# Altium PCB slave.PcbDoc
Units mil, origin at the board's own origin, x right, y up, seen from the top; angles counter-clockwise.
Board outline 3928.63 x 3262.09 mil, 2 copper layers (Top Layer, Bottom Layer); 7 components, 17 nets, 94 pads, 0 vias.
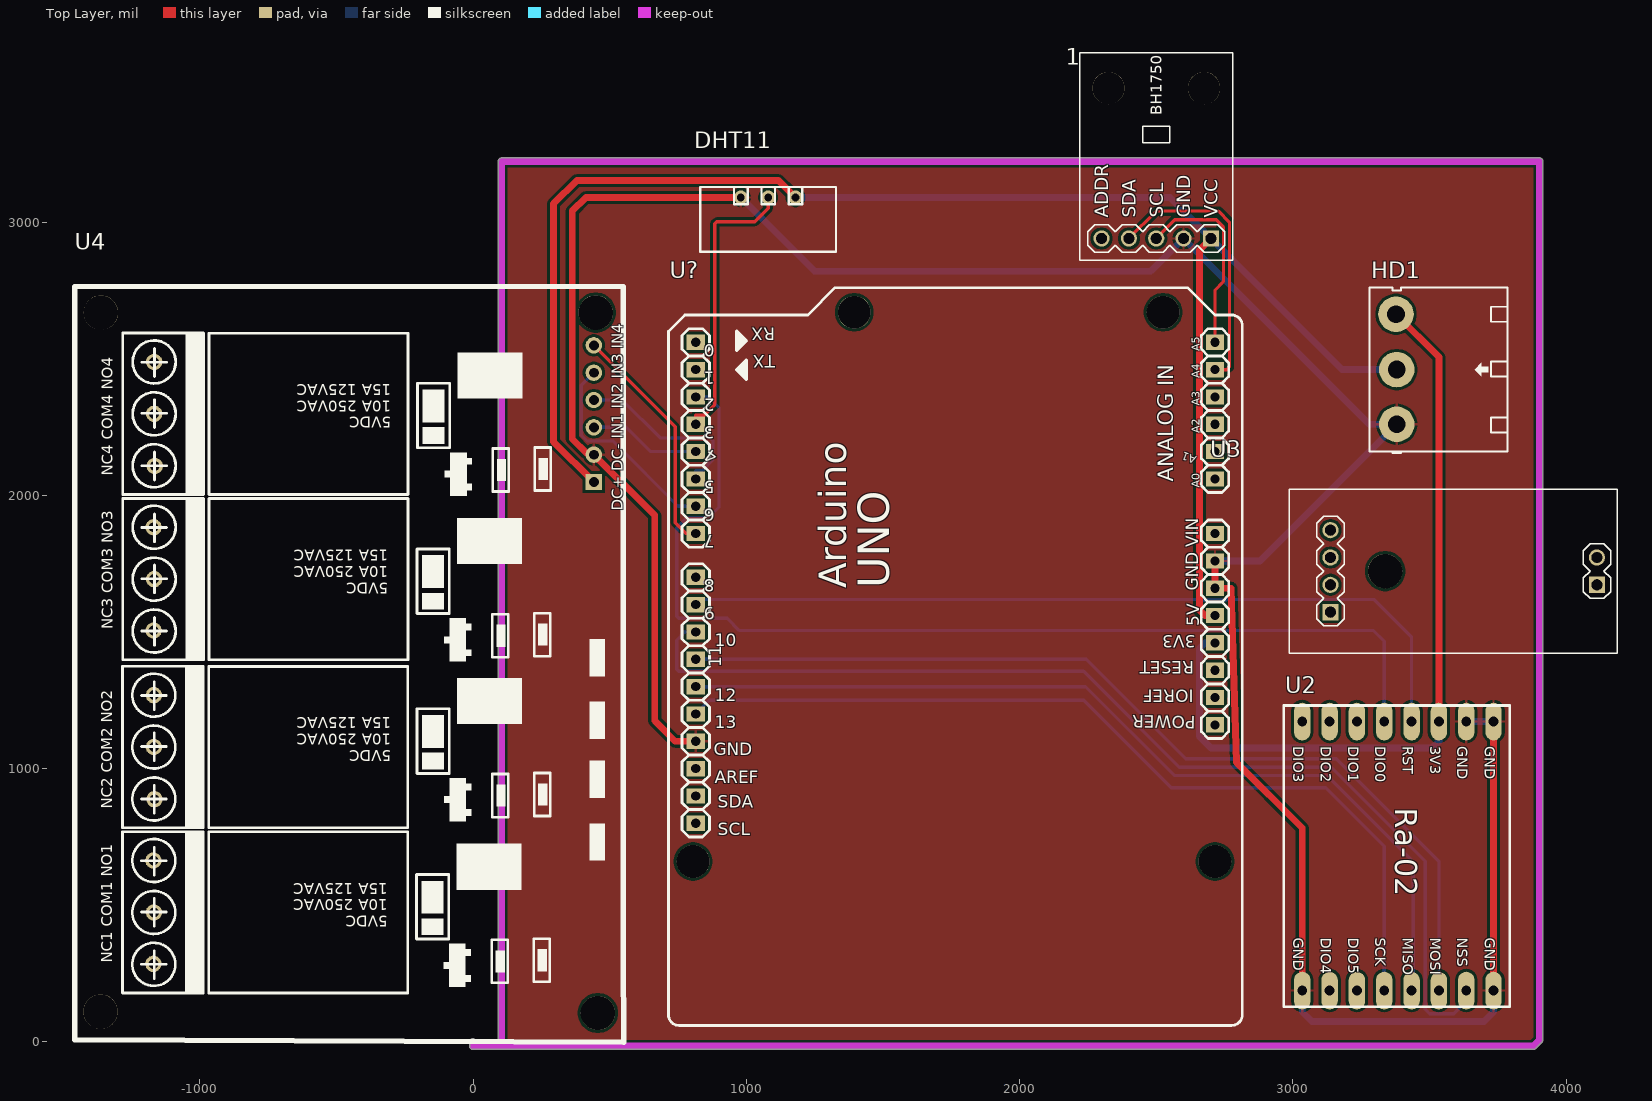
[diagram p0: Top Layer view]
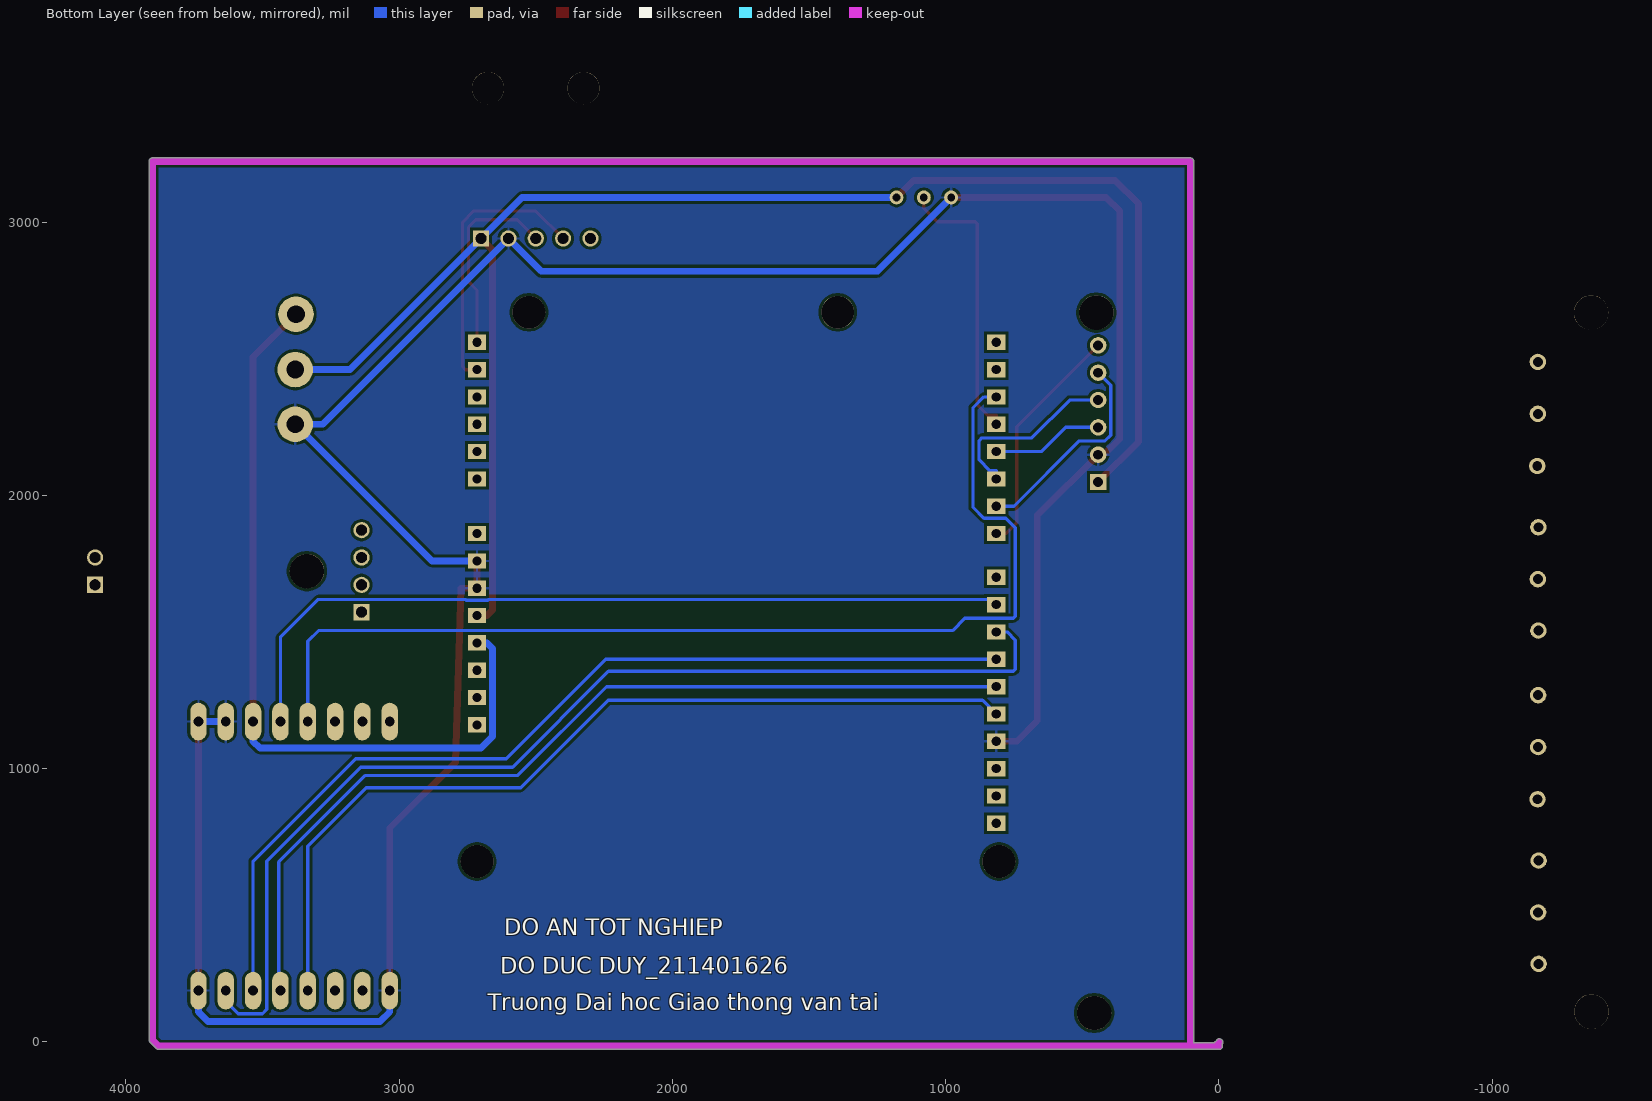
[diagram p1: Bottom Layer view, seen from below]

## Layer stack, top to bottom
Top Solder: solder mask 0.4, Solder Resist, Dk 3.5
Top Layer: signal copper 1.4
Dielectric 1: dielectric 12.6, FR-4, Dk 4.8
Bottom Layer: signal copper 1.4
Bottom Solder: solder mask 0.4, Solder Resist, Dk 3.5

## Board outline
-11.22,-9.46 ccw(c0,-15) 0,-27.51 3880,-27.51 ccw(c3880,-15) 3888.88,-23.82 3888.85,-23.85 3910.91,-1.79 3910.89,-1.81 ccw(c3902.06,7.06) 3914.58,7.06 3914.58,3222.06 ccw(c3902.06,3222.06) 3902.06,3234.58 105,3234.58 ccw(c105,3222.06) 92.49,3222.06 92.49,-2.49 17.12,-2.49 7.32,7.32 ccw(c-1.53,-1.53)

## Design rules (kind name [scope] priority, off if disabled: settings)
Clearance [All] p1: gap=10 ignorepadtopadclearanceinfootprint=FALSE except(0: Arc-Hole Track-Hole SMDPad-Hole THPad-Hole Via-Hole Fill-Hole Poly-Hole Region-Hole Text-Hole)
PolygonConnect [All] p1: connectstyle=Relief reliefconductorwidth=10 reliefentries=4 polygonreliefangle="90 Angle" airgapwidth=10
RoomDefinition Slave [InComponentClass('Slave')] p1: confinementstyle=ConfineIn formatcopy=TRUE lockcomponents=FALSE outline 3945,60 11270,60 11270,4200 3945,4200
RoutingVias [All] p1: holewidth=16 width=30 viastyle="Through Hole" minholewidth=16 minwidth=30 maxholewidth=30 maxwidth=50
SolderMaskExpansion [All] p1: expansion=4 istentingtop=FALSE
Width Width_Power [InNetClass('Power')] p1: maxlimit=50 minlimit=15 preferedwidth=25
Width Width_signal [All] p2: maxlimit=15 minlimit=10 preferedwidth=12
30 further rules are at their usual default settings.

## Classes and differential pairs
net class Power: 3V3 5V GND

## Components (designator, comment, footprint, x,y, rotation, side; value= is the part's Value field where it differs from the comment)
1 "BH1750" LIGHT-SENSOR-BH1750 4805,3325 r0 top
DHT11 "DHT11" DHT11 1080,3009.7 r90 top
HD1 "Header 3" HED3T 3380,2260 r90 top
U2 "RA-02" "LORA RA 02" 3440,680 r270 top
U3 "Soil_moisture_sensor_module" Soil 3490,1650 r0 top
U4 "RELAY 4 CHANNEL" "RELAY 4 CHANNEL" -570,1705 r270 top
U? "ARDUINOUNO_1" "UNO R3" 1755,1460 r90 top

## Footprints (in the part's own frame and the unit in brackets; to place one, negate y for a bottom-side part, rotate by r counter-clockwise, add the part's x,y. Pads: shape width x height; smd on the part's side, far side on the other; paste and mask are expansions set on the pad)
DHT11 [mil]
  round 51 hole 28 paste+0 mask+4: 1(80.3,-100) 3(80.3,0) 4(80.3,100)
  silkscreen extent -118,-248 118,248, body extent -248,-271 230,281, height 1373
HED3T [mil] "Header 3, 3 pin, hight 300mil, Pin to Pin 200, Colour Green"
  round 130 hole 65: 1(0,0) 2(200,0) 3(402.62,2.62)
  silkscreen extent -105,-405 500,100, body extent -95,-404 496,68, height 124
LIGHT-SENSOR-BH1750 [mil]
  rect 59.37x59.37 hole 39.36 paste+0 mask+2: 1(-2105,-385)
  round 59.37 hole 39.36 paste+0 mask+2: 2(-2205,-385) 3(-2305,-385) 4(-2405,-385) 5(-2505,-385)
  round 118.1 hole 118.1 unplated paste+0: ""(-2480,165) ""(-2130,165)
  silkscreen extent -2585,-465 -2025,295, body extent -2570,-419 -2015,320, height 135
"LORA RA 02" [mil]
  oval 137.79x60 hole 36 paste+0 mask+4: 1(-492.12,294.32) 2(-492.12,194.32) 3(-492.12,94.32) 4(-492.12,-5.68) 5(-492.12,-105.68) 6(-492.12,-205.68) 7(-492.12,-305.68) 8(-492.12,-405.68) 9(492.13,294.32) 10(492.12,194.32) 11(492.12,94.33) 12(492.13,-5.68) 13(492.13,-105.68) 14(492.13,-205.68) 15(492.13,-305.68) 16(492.13,-405.68)
  silkscreen extent -551,-473 551,353, body extent -553,-460 535,347, height 232
"RELAY 4 CHANNEL" [mil]
  rect 60x60 hole 36 paste+0 mask+2: 1(-343.72,1012.05)
  round 60 hole 36 paste+0 mask+2: 2(-443.73,1012.05) 3(-543.73,1012.05) 4(-643.73,1012.05) 5(-743.73,1012.05) 6(-843.73,1012.05) 11(626.27,-597.94) 12(436.27,-597.94) 17(-593.18,-596.84) 18(-783.18,-596.84)
  round 60 hole 36 paste+0 mask+4: 7(1419.46,-599.79) 8(1231.27,-597.94) 9(1041.51,-599.79) 10(817.1,-595.85) 13(200.01,-598.69) 14(11.82,-596.84) 15(-177.94,-598.69) 16(-402.35,-594.75)
  round 125.98 hole 125.98 unplated paste+0: ""(-963.71,1019.04) ""(-963.71,-791.98) ""(1594.32,-793.08) ""(1599.32,1026.92)
  silkscreen extent -1059,-888 1706,1122, body extent -1164,-868 1789,1101, height 648
Soil [mil]
  rect 59.37x59.37 hole 39.36 paste+0 mask+2: J1.1(-352.5,-77.5) J2.1(622.5,22.5)
  round 59.37 hole 39.36 paste+0 mask+2: J1.2(-352.5,22.5) J1.3(-352.5,122.5) J1.4(-352.5,222.5) J2.2(622.5,122.5)
  round 125.98 hole 125.98 unplated paste+0: ""(-152.5,72.5)
  silkscreen extent -502,-228 698,372, body extent -802,-309 3224,459, height 49
"UNO R3" [mil]
  rect 56x67.2 hole 33.4 paste+0 mask+2: 1(240,939.99) 2(140,939.99) 3(40,939.99) 4(-60,939.99) 5(-160,939.99) 6(-260,939.99) 7(-360,939.99) 8(-460,939.99) 9(-560,939.99) 10(-660,939.99) 11(1100,939.99) 12(1000,939.99) 13(900,939.99) 14(800,939.99) 15(700,939.99) 16(600,939.99) 17(500,939.99) 18(400,939.99) 19(600,-960) 20(700,-960) 21(800,-960) 22(900,-960) 23(1000,-960) 24(1100,-960) 25(-300,-960) 26(-200,-960) 27(-100,-960) 28(0,-960) 29(100,-960) 30(200,-960) 31(300,-960) 32(400,-960)
  round 120 hole 120 unplated paste+0: ""(-800,950) ""(-800,-960) ""(1210,-770) ""(1210,360)
  silkscreen extent -1400,-1060 1300,1040, body extent -1650,-1056 1300,1045, height 485

## Part data
HD1: library part Hed3, "Header 3 (Green)"

## Nets (pads, with @x,y where several pads share a name; then routed paths per layer and width w, separated by ;. In a path a pad name is that pad's centre, name@x,y a point inside that pad or via, vN(x,y) a via of type N, cw(c..) or ccw(c..) an arc to the next point about the centre after c; other vN are vias at no path point)
3V3: HD1.3 U2.3 U?.28 | length 2920
  Top Layer w25: HD1.3 3534.32,2505.68 U2.3
  Bottom Layer w25: U?.28 2678,1460 2658,1440 2658,1117 2700,1075 3509.32,1075 3534.32,1100 U2.3
5V: 1.1 DHT11.1 HD1.2 U4.1 U?.29 | length 5928.7
  Top Layer w25: U4.1 295,2195.77 295,3067 380,3152 1118,3152 DHT11.1 ; 1.1 2658,2898 2658,1580 2678,1560 U?.29
  Bottom Layer w25: DHT11.1 2550,3090 3180,2460 HD1.2
"DATA IN1": U4.3 U?.15 | length 409.7
  Bottom Layer w12: U4.3 561.27,2248.73 650,2160 U?.15
"DATA IN2": U4.4 U?.16 | length 677.1
  Bottom Layer w12: U4.4 546.27,2348.73 685,2210 868,2210 878,2200 878,2130 838.01,2090.01 815.01,2090.01 U?.16
"DATA IN3": U4.5 U?.17 | length 774.5
  Bottom Layer w12: U4.5 396,2402.67 396,2220 417,2199 511,2199 750,1960 U?.17
"DATA IN4": U4.6 U?.18 | length 863.7
  Top Layer w12: U4.6 740,2250.78 740,1900 780,1860 U?.18
"DATA Soil": U?.19
"DHT DATA": DHT11.3 U?.14 | length 1039.5
  Top Layer w12: U?.14 815.01,2293 846,2293 885,2332 885,2994.22 892.03,3001.25 1031.25,3001.25 1080,3050 DHT11.3
GND: 1.2 DHT11.4 HD1.1 U2.1 U2.2 U2.9 U2.16 U4.2 U?.7 U?.30 U?.31 | length 10236.8
  Top Layer w25: U?.7 740,1100 665,1175 665,1925.78 435.36,2155.42 414.58,2155.42 363,2207 363,3040 413,3090 DHT11.4 ; U?.31 U?.30 2774,1660 2794,1023 3034.32,782.68 U2.16 ; U2.9 U2.1
  Bottom Layer w25: DHT11.4 1250,2820 2480,2820 1.2 3280,2260 HD1.1 2880,1760 U?.31 ; U2.16 3034.32,110 3069.85,74.48 3698.8,74.48 3734.32,110 U2.9 ; U2.2 U2.1
"LORA DIO0": U2.5 U?.13 | length 3896.3
  Bottom Layer w12: U?.13 860,2360 900,2320 900,1956 860,1916 780,1916 745,1881 745,1557.03 752.03,1550 930,1550 975,1505 3295,1505 3334.32,1465.68 U2.5
"LORA MISO": U2.12 U?.5 | length 3363.6
  Bottom Layer w12: U?.5 2241.11,1300 2566.11,975 3123.41,975 3440,658.41 3440,193.55 U2.12
"LORA MOSI": U2.11 U?.4 | length 3498.4
  Bottom Layer w12: U?.4 2244,1400 2608,1036 3159,1036 3534.33,660.67 U2.11
"LORA NSS": U2.10 U?.3 | length 3976.1
  Bottom Layer w12: U?.3 775,1500 745,1470 745,1363.03 752.03,1356 2234,1356 2585,1005 3140,1005 3484,661 3484,118.98 3500,102.98 3588.3,102.98 3634.32,149 U2.10
"LORA RESET": U2.4 U?.2 | length 2995.5
  Bottom Layer w12: U?.2 834.01,1619 2671.77,1619 2674.77,1616 2755.23,1616 2758.23,1619 3296,1619 3434.32,1480.68 U2.4
"LORA SCK": U2.13 U?.6 | length 3289.2
  Bottom Layer w12: U?.6 865.01,1250 2235,1250 2555,930 3120,930 3334.32,715.68 U2.13
SCL: 1.3 U?.24 | length 719.8
  Top Layer w12: 1.3 2568,3008 2720,3008 2746,2982 2746,2781 2715,2750 U?.24
SDA: 1.4 U?.23 | length 1013.1
  Top Layer w12: 1.4 2500,3040 2728,3040 2768,3000 2768,2470 2758,2460 U?.23
pads on no net: 1. 1.5 U2.6 U2.7 U2.8 U2.14 U2.15 U3. U3.J1.1 U3.J1.2 U3.J1.3 U3.J1.4 U3.J2.1 U3.J2.2 U4. U4.7 U4.8 U4.9 U4.10 U4.11 U4.12 U4.13 U4.14 U4.15 U4.16 U4.17 U4.18 U?. U?.1 U?.8 U?.9 U?.10 U?.11 U?.12 U?.20 U?.21 U?.22 U?.25 U?.26 U?.27 U?.32

## Polygon pours and split planes (outlines as drawn)
GND on Top Layer "GND_L01_P000" (solid, remove dead copper, pour order 0): 105,-15 3900,-15 3900,3220 104.79,3220 104.79,-9.67
GND on Bottom Layer "GND_L02_P001" (solid, remove dead copper, pour order 1): 105,-15 3896.53,-15 3904.02,-7.51 3904.02,3225.63 104.69,3225.63 99.27,3220.21 103.43,3216.05 103.43,-15.26

## Keep-outs
Keep-Out Layer:
  lines w25: -1.53,-1.53 11.93,-15 105,-15 105,3222.06 3902.06,3222.06 3902.06,7.06 3880,-15 0,-15

## Silkscreen, mask and mechanical layers (free items; w line width, h text height)
Bottom Overlay:
  text "DO AN TOT NGHIEP" at 2615,390 h60
  text "DO DUC DUY_211401626" at 2630,250 h60
  text "Truong Dai hoc Giao thong van tai" at 2675,114.99 h60

## Text inside footprints (layer, text, board x,y; h text height)
1: Top Overlay "SCL" at 2525,3015 h50 r90; Top Overlay "GND" at 2625,3015 h50 r90; Top Overlay "VCC" at 2725,3015 h50 r90; Top Overlay "ADDR" at 2325,3015 h50 r90; Top Overlay "SDA" at 2425,3015 h50 r90
U2: Top Overlay "DIO3" at 3002.24,1081.24 h39.37 r270; Top Overlay "DIO2" at 3102.24,1081.23 h39.37 r270; Top Overlay "DIO1" at 3202.24,1081.23 h39.37 r270; Top Overlay "DIO0" at 3302.24,1081.23 h39.37 r270; Top Overlay "DIO4" at 3102.25,381.24 h39.37 r270; Top Overlay "DIO5" at 3202.25,381.24 h39.37 r270; Top Overlay "SCK" at 3302.25,381.24 h39.37 r270; Top Overlay "MISO" at 3402.24,381.23 h39.37 r270; Top Overlay "NSS" at 3602.24,381.23 h39.37 r270; Top Overlay "MOSI" at 3502.24,381.23 h39.37 r270; Top Overlay "RST" at 3402.23,1081.23 h39.37 r270; Top Overlay "3V3" at 3502.26,1081.13 h39.37 r270; Top Overlay "GND" at 3602.23,1081.23 h39.37 r270; Top Overlay "GND" at 3702.24,381.23 h39.37 r270; Top Overlay "GND" at 3002.25,381.24 h39.37 r270; Top Overlay "GND" at 3702.23,1081.23 h39.37 r270; Top Overlay "Ra-02" at 3375.14,857.18 h80 r270
U4: Top Overlay "NC3 COM3 NO3" at -1318.74,1509.36 h40 r90; Top Overlay "NC4 COM4 NO4" at -1318.73,2072.35 h40 r90; Top Overlay "DC+ DC- IN1 IN2 IN3 IN4" at 547.05,1943.73 h40 r90; Top Overlay "5VDC / 10A 250VAC / 15A 125VAC" at -310.43,1800.58 h40 r180; Top Overlay "5VDC / 10A 250VAC / 15A 125VAC" at -298.62,2406.88 h40 r180; Top Overlay "5VDC / 10A 250VAC / 15A 125VAC" at -299.72,1187.43 h40 r180; Top Overlay "5VDC / 10A 250VAC / 15A 125VAC" at -311.53,581.13 h40 r180; Top Overlay "NC2 COM2 NO2" at -1319.84,852.9 h40 r90; Top Overlay "NC1 COM1 NO1" at -1319.84,289.91 h40 r90
U?: Top Overlay "POWER" at 2645.4,1191.8 h46 r179; Top Overlay "SCL" at 895,757 h46; Top Overlay "SDA" at 895,857 h46; Top Overlay "IOREF" at 2637.3,1288.1 h46 r180; Top Overlay "0" at 885,2553 h46 r180; Top Overlay "1" at 885,2453 h46 r180; Top Overlay "2" at 885,2353 h46 r180; Top Overlay "3" at 885,2253 h46 r180; Top Overlay "4" at 898.52,2148.61 h46 r144; Top Overlay "5" at 885,2053 h46 r180; Top Overlay "6" at 883,1952.91 h46 r185; Top Overlay "7" at 885,1853 h46 r180; Top Overlay "8" at 885,1693 h46 r180; Top Overlay "9" at 883,1592.91 h46 r185; Top Overlay "10" at 885,1447 h46; Top Overlay "11" at 908,1370 h46 r90; Top Overlay "12" at 885,1247 h46; Top Overlay "13" at 885,1147 h46; Top Overlay "GND" at 2653.1,1650 h46 r90; Top Overlay "VIN" at 2653.1,1810 h46 r90; Top Overlay "A5" at 2660,2528 h30 r90; Top Overlay "A4" at 2660,2428 h30 r90; Top Overlay "A3" at 2660,2328 h30 r90; Top Overlay "A2" at 2660,2228 h30 r90; Top Overlay "A1" at 2650.37,2142 h30 r159; Top Overlay "3V3" at 2644.6,1488.1 h46 r180; Top Overlay "RESET" at 2640,1393 h46 r180; Top Overlay "UNO" at 1522.5,1660 h115 r90; Top Overlay "RX" at 1105,2613 h46 r180; Top Overlay "TX" at 1105,2513 h46 r180; Top Overlay "GND" at 880,1048 h46; Top Overlay "AREF" at 885,947 h46; Top Overlay "Arduino" at 1365,1660 h100 r90; Top Overlay "ANALOG IN" at 2563,2050 h56 r90; Top Overlay "A0" at 2660,2028 h30 r90; Top Overlay "5V" at 2658,1520 h46 r90